# KiCad board panel.opm-inline.kicad_pcb (continued)
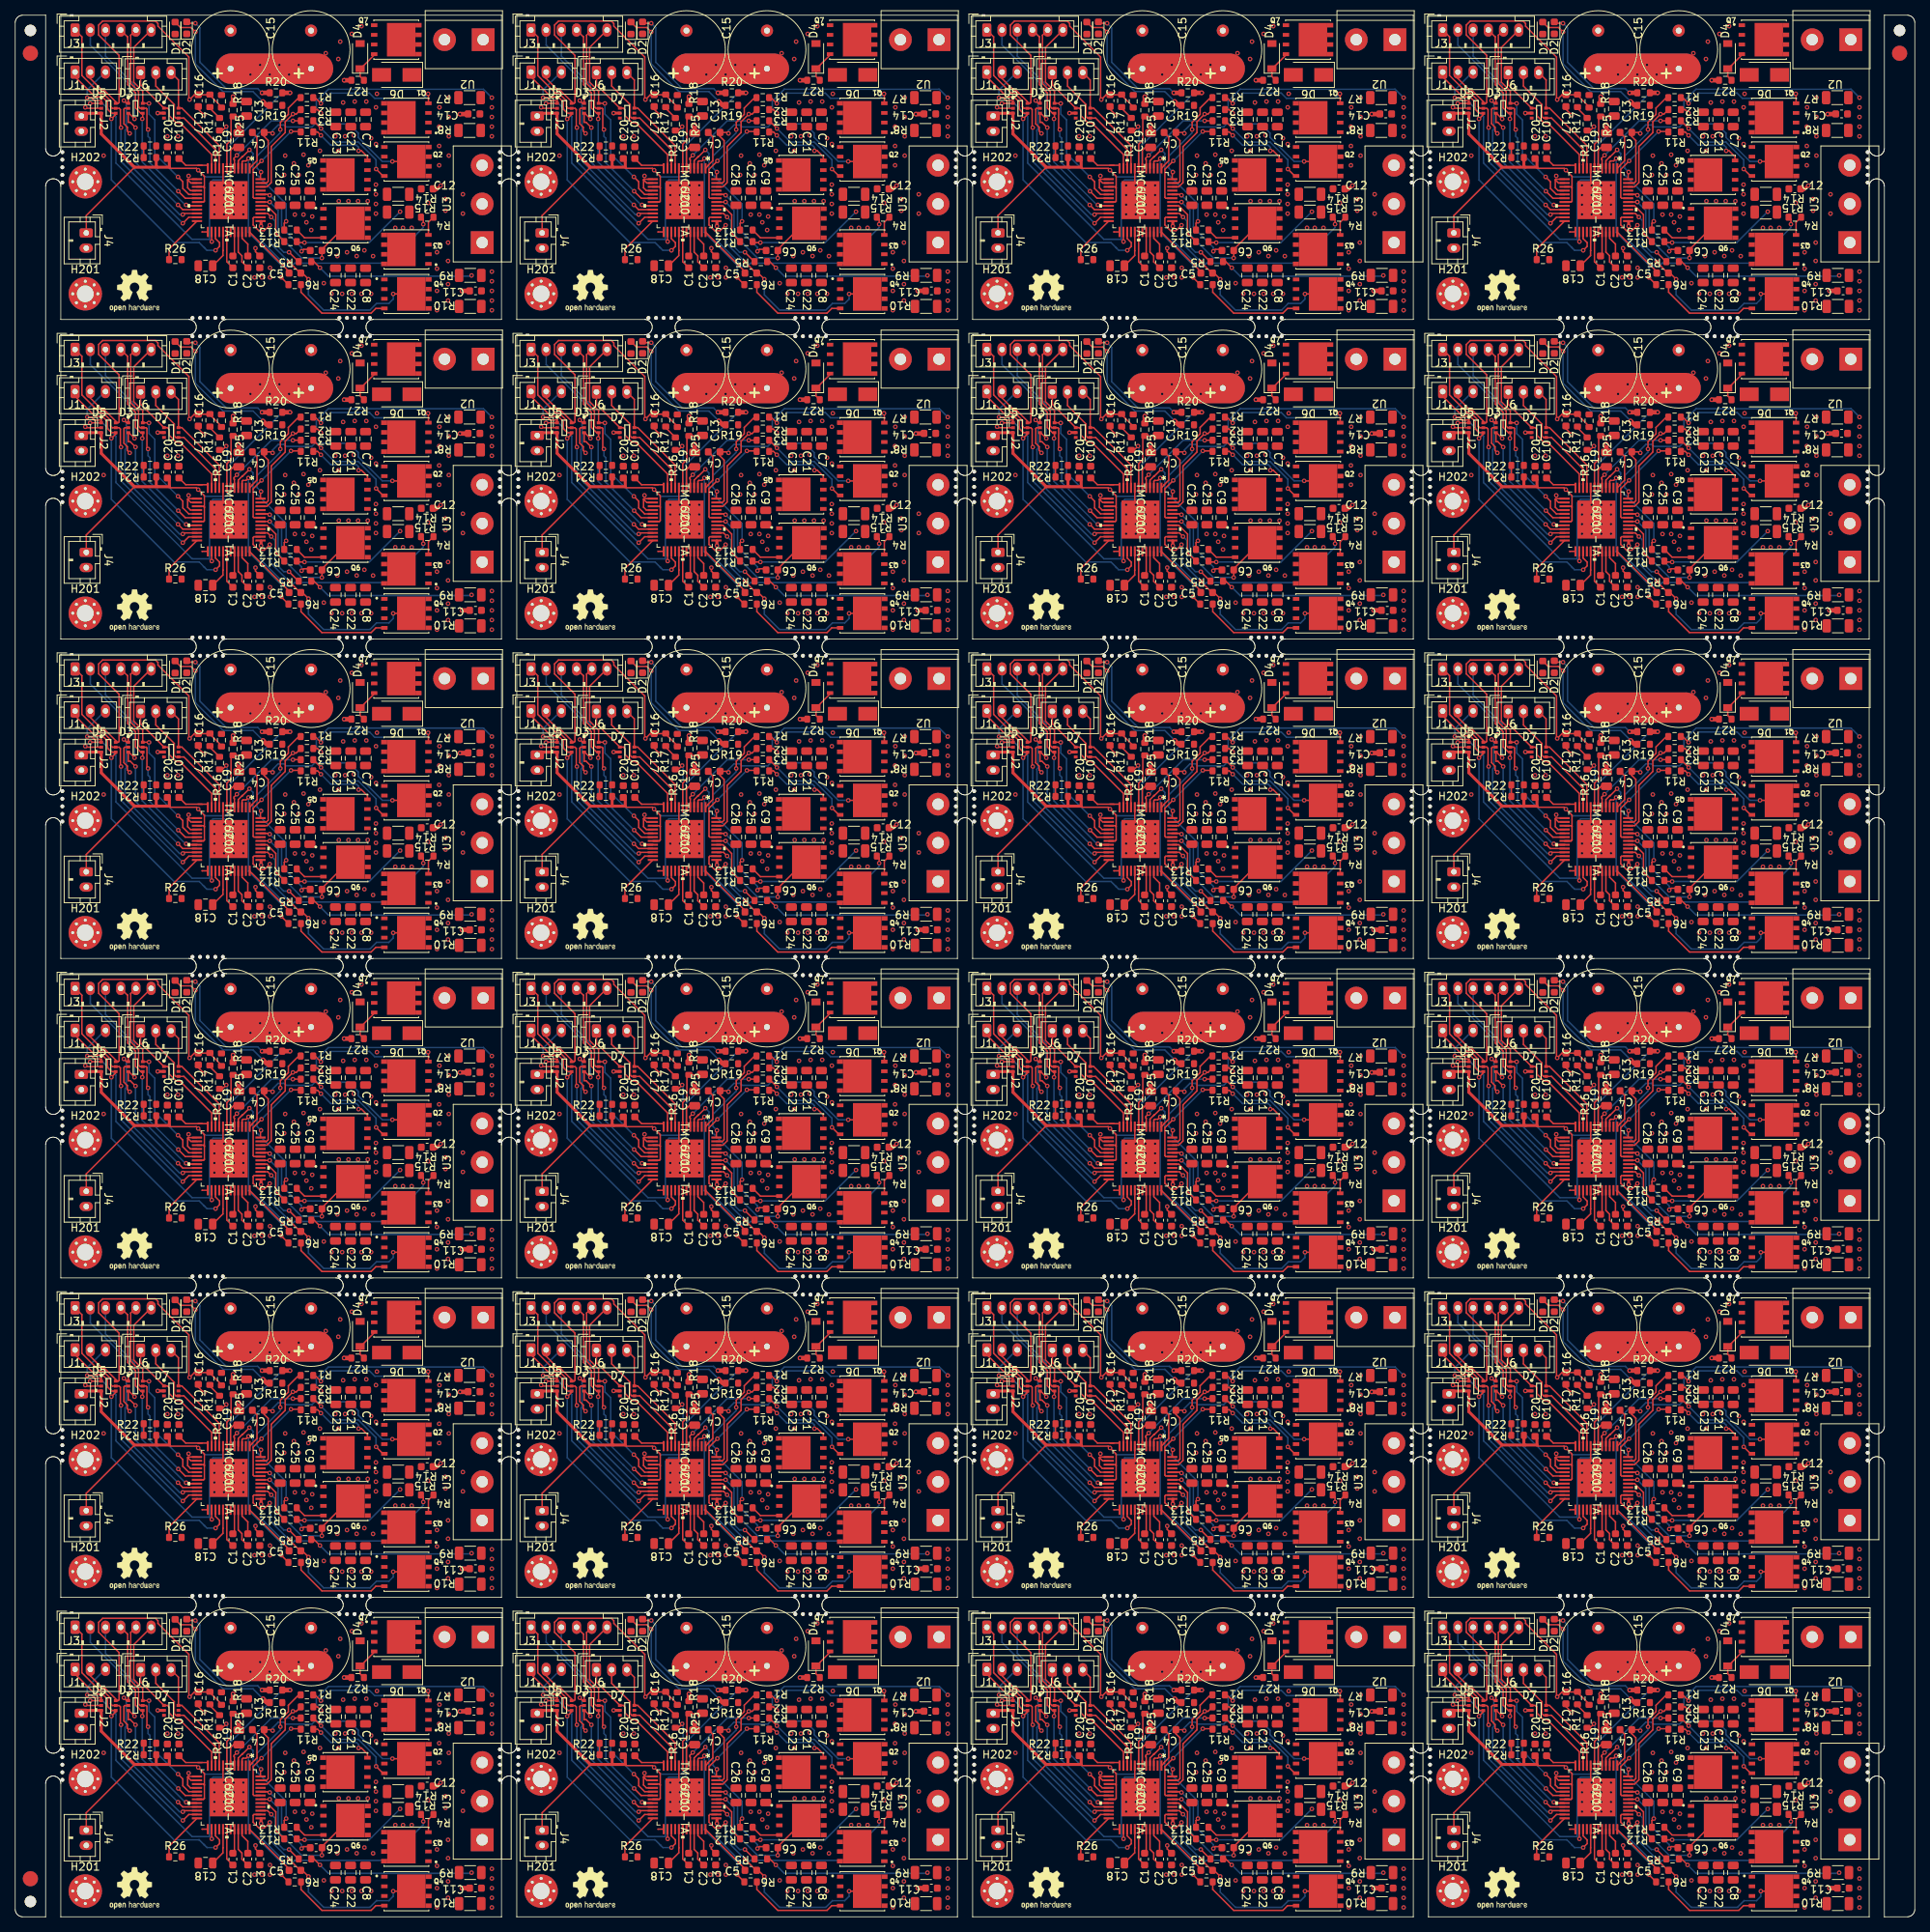
[diagram p0: board, top side]
## Routing (per net, layer and track width the routed paths; a pad name or vN(x,y) marks a point on that pad's centre or on a via; arc(x,y) is an arc through that point) (continued)
Board_21-Net-(C4-Pad2): length 5.4
  Top w0.2: C4#10.2 91.74,23.99 91.74,20.88 91.14,20.28 91.14,20.23 IC1#24.1
Board_21-Net-(C5-Pad1): length 7.4
  Top w0.2: IC1#24.36 90.78,11.49 95.96,6.31
Board_21-Net-(C5-Pad2): length 31.7
  Top w0.2: v1(109.66,3.37) Q4#19.5 ; v1(98.52,5.3) 97.71,6.11 C5#4.2 ; v1(93.42,12.4) 92.7,11.67 91.99,11.67 91.24,12.43 91.24,13.33 91.36,13.45 IC1#24.38 ; 97.51,6.31 97.23,6.31 v1(95.96,7.58)
  Bottom w0.2: v1(93.42,12.4) 93.52,12.3 93.52,10.02 v1(95.96,7.58) ; v1(109.66,3.37) 109.66,2.68 109.09,2.11 107.46,2.11 106.59,1.24 100.51,1.24 98.52,3.24 v1(98.52,5.3)
  vias: v1(115.41,8.85) v1(115.41,6.69) v1(115.41,3.77) v1(115.41,1.23) v1(116.87,10.12) v1(116.87,7.7) v1(116.87,4.65) v1(116.87,2.5)
Board_21-Net-(C6-Pad1): length 19.3
  Top w0.2: v1(93.42,15.45) 93.42,15.45 IC1#24.42 ; Q6.5 103.72,12.66 100.29,9.23 100.29,8.1 v1(100.28,8.08)
  Bottom w0.2: v1(93.42,15.45) 94.52,14.35 94.52,11.18 97.61,8.08 v1(100.28,8.08)
  vias: v1(102.5,15.57) v1(103.77,15.57) v1(105.04,15.57) v1(106.31,15.57) v1(107.38,17.74) v1(107.38,16.47) v1(107.38,15.2) v1(107.38,13.93)
Board_21-Net-(C6-Pad2): length 12.4
  Top w0.2: v1(97.61,8.97) 97.87,9.23 98.74,9.23 ; v1(93.42,16.34) 93.32,16.45 IC1#24.44 93.06,16.45
  Bottom w0.2: v1(97.61,8.97) 97.61,9.48 94.98,12.11 94.98,14.78 v1(93.42,16.34)
Board_21-Net-(D1-Pad2): length 19.4
  Top w0.2: R19#5.1 93.04,28.15 ; D1#24.2 81.69,38.39 83.06,38.39 v1(83.64,37.8)
  Top w0.6: 93.04,28.15 v1(92.53,28.66)
  Bottom w0.2: v1(83.64,37.8) 83.64,33.61 87.29,29.96 91.23,29.96 v1(92.53,28.66)
Board_21-Net-(D2-Pad2): length 17.4
  Top w0.2: v1(83.64,38.94) 82.68,38.94 D2#21.2
  Top w0.6: R20.1 v1(92.41,29.8)
  Bottom w0.2: v1(83.64,38.94) 84.24,38.34 84.24,33.82 87.7,30.36 91.84,30.36 v1(92.41,29.8)
Board_21-Net-(D4-Pad1): length 4.4
  Top w0.2: 105.36,32.98 107.16,34.78 Q7#9.4 ; D4#14.1 105.31,31.95 R27#23.1
Board_21-Net-(IC1-Pad3): length 20.6
  Top w0.2: v1(90.63,21.16) 90.31,20.85 89.9,20.85 89.78,20.73 IC1#24.3 ; v1(94.95,5.54) 94.95,5.52 R6#13.2
  Bottom w0.2: v1(90.63,21.16) 90.63,11.46 94.95,7.14 v1(94.95,5.54)
Board_21-Net-(IC1-Pad4): length 16.7
  Top w0.2: 89.78,21.38 89.87,21.46 ; 89.78,21.38 89.28,20.88 IC1#24.4 89.28,20.69 ; 89.78,21.38 89.82,21.38 v1(90.76,22.31) ; v1(95.58,12.91) 95.33,12.66 R13#21.2
  Bottom w0.2: v1(95.58,12.91) 95.58,15.2 91.23,19.55 91.23,21.83 v1(90.76,22.31)
Board_21-Net-(IC1-Pad5): length 12.2
  Top w0.2: v1(89.1,21.59) 88.72,21.21 88.72,21.04 88.78,20.98 IC1#24.5 ; R3#17.2 96.48,26.13 v1(96.47,26.12)
  Bottom w0.2: v1(89.1,21.59) 93.63,26.12 v1(96.47,26.12)
Board_21-Net-(IC1-Pad24): length 6.6
  Top w0.2: R26#9.1 80.18,9.27 IC1#24.24
Board_21-Net-(IC1-Pad37): length 28.9
  Top w0.2: v1(113.62,12.53) 113.62,13.15 R4#15.2 ; 92.28,12.88 IC1#24.37
  Top w0.4: v1(92.28,12.27) 92.28,12.88
  Bottom w0.2: v1(113.62,12.53) 113.62,12.1 108.92,7.41 96.69,7.41 96.25,6.98 95.67,6.98 92.28,10.37 v1(92.28,12.27)
Board_21-Net-(IC1-Pad39): length 9.3
  Top w0.2: 97.23,7.81 97,7.81 v1(95.96,8.85) ; v1(93.62,13.47) 93.15,13.95 IC1#24.39
  Bottom w0.2: v1(93.62,13.47) 94.12,12.97 94.12,9.98 95.26,8.85 v1(95.96,8.85)
Board_21-Net-(IC1-Pad41): length 6.5
  Top w0.2: IC1#24.41 93.06,14.95 94.22,13.79 94.22,11.35 R12#2.2
Board_21-Net-(IC1-Pad43): length 13.1
  Top w0.2: IC1#24.43 91.36,15.95 91.24,16.07 91.24,19.74 v1(92.34,20.85) ; v1(96.22,24.72) 97.44,24.72 R11#23.2
  Bottom w0.2: v1(92.34,20.85) v1(96.22,24.72)
Board_21-Net-(IC1-Pad46): length 13.1
  Top w0.2: IC1#24.46 93.06,17.45 93.62,18 93.62,22.74 95.45,24.58 95.45,25.99 96.47,27.01 v1(96.47,27.01) 96.91,27.01 R2#5.2
Board_21-Net-(IC1-Pad48): length 13.8
  Top w0.2: R1#5.2 97.23,29.17 95.87,27.8 95.87,26.97 94.82,25.92 v1(94.82,24.97) ; v1(92.28,19.39) 92.21,19.32 IC1#24.48
  Bottom w0.2: v1(94.82,24.97) 94.82,24.55 91.74,21.47 91.74,19.92 v1(92.28,19.39) 92.28,19.64
Board_21-Net-(Q1-Pad4): length 17.8
  Top w0.2: Q1#18.4 114.29,29.63 v1(114.25,29.67) ; R1#5.1 99.39,29.17 v1(100.15,28.4)
  Bottom w0.2: v1(114.25,29.67) 113.65,29.07 107.23,29.07 106.54,29.77 101.52,29.77 v1(100.15,28.4)
Board_21-Net-(Q2-Pad4): length 13.2
  Top w0.2: v1(107.41,19.78) 108.32,18.87 Q2#18.4 ; 100.28,25 v1(100.16,25.11) R3#17.1
  Bottom w0.2: v1(107.41,19.78) 107.41,20.99 105.07,23.32 101.95,23.32 v1(100.16,25.11)
Board_21-Net-(Q3-Pad4): length 2.6
  Top w0.2: R4#15.1 114.29,12.79 Q3#7.4
Board_21-Net-(Q4-Pad4): length 13.5
  Top w0.2: Q4#19.4 107.37,1.46 106.76,0.84 100.28,0.84 97.53,3.59 R6#13.1 97.73,4.59
Board_21-Net-(Q5-Pad4): length 9.2
  Top w0.2: v1(100.15,24.21) 99.71,24.66 R11#23.1 ; Q5#16.4 106.27,21.4 105.49,22.18 v1(105.11,22.18)
  Bottom w0.2: v1(100.15,24.21) 101.45,22.92 104.83,22.92 105.11,22.63 v1(105.11,22.18)
Board_21-Net-(Q6-Pad4): length 3.9
  Top w0.2: R13#21.1 97.99,10.75 Q6.4
Board_21-Net-(R16-Pad2): length 2
  Top w0.2: R16#14.2 85.55,27.77 R17#23.1
Board_22-/+VM: length 61.7
  Top w0.2: IC1#17.33 149.23,8.86 149.72,8.38 149.72,7.58 C2.1
  Top w0.6: R25#2.2 v1(148.55,29.29)
  Top w4: 148.29,32.98 159.72,32.98
  In1.Cu w4: 148.55,32.98 158.35,32.98
  In2.Cu w4: 148.29,32.98 159.72,32.98 148.29,32.98
  Bottom w4: 148.29,32.98 159.72,32.98
  vias: v1(150.83,32.21) v1(151.36,5.54) v1(152.1,33.48) v1(152.33,5.54) v1(153.37,32.21) v1(153.4,6.81) v1(153.4,5.54) v1(154.64,33.48) v1(155.28,19.01) v1(155.4,21.55) v1(155.91,32.21) v1(156.55,20.53) v1(157.18,33.48) v1(157.18,19.01) v1(157.82,21.67) v1(158.45,20.28) v1(159.98,22.18) v1(160.74,35.01) v1(162.26,8.35) v1(162.39,34.25) v1(162.39,22.18) v1(162.64,36.53) v1(163.02,28.53) v1(163.53,8.85) v1(164.17,37.55) v1(164.55,28.66) v1(164.8,8.35) v1(165.44,38.56) v1(165.82,9.1) v1(166.07,28.66) v1(166.96,8.34) v1(167.34,27.9) v1(167.47,29.67) v1(169.88,12.06) v1(170.9,12.06) v1(172.04,12.06)
Board_22-/ADC_I_u: length 15.5
  Top w0.2: IC1#17.9 146.73,22.87 141.82,27.78 D7#15.6 141.37,31.49 J6#9.3
Board_22-/ADC_I_v: length 17.7
  Top w0.2: 146.17,20.36 146.23,20.3 IC1#17.10 146.23,22.34 142.08,26.48 D7#15.4 141.03,26.48 140.82,26.69 140.82,28.26 138.39,30.69 J6#9.2 138.89,31.96
Board_22-/ADC_I_w: length 17
  Top w0.2: IC1#17.11 145.73,21.69 141.56,25.86 141.08,25.86 140.16,26.78 140.16,27.54 139.92,27.78 D7#15.1 136.39,30.87 J6#9.1
Board_22-/Connectors/VOFS: length 1.8
  Top w0.2: R22#10.1 R21#22.2 ; 136.48,21.16 136.8,21.16
Board_22-/DRV_EN: length 38.5
  Top w0.2: v1(132.54,26.37) 133.11,26.94 D5#12.4 132.56,27.12 132.04,27.64 132.04,28.59 131.34,29.28 130.4,29.28 127.77,31.91 J1#24.1 ; v1(146.25,9.1) 146.77,9.62 146.77,10.11 146.23,10.64 IC1#17.27 146.23,11.1 146.25,11.08
  Bottom w0.2: 144.74,9.48 144.86,9.35 ; 144.74,9.48 144.1,10.12 140.78,10.12 132.54,18.35 v1(132.54,26.37) ; 144.74,9.48 145.12,9.1 v1(146.25,9.1)
Board_22-/FAULT: length 63.4
  Top w0.2: v1(129.75,28.4) 129.77,28.42 D5#12.1 131.21,28.73 ; 131.27,28.78 130.33,28.78 129.95,29.17 v1(129.37,29.17) ; v1(145.75,10.24) 145.73,10.26 IC1#17.26
  Top w0.6: R20#16.2 v1(156.04,29.8)
  Bottom w0.2: 133.05,26.75 132.83,26.97 ; 133.05,26.75 133.14,26.66 133.14,20.57 143.17,10.54 145.45,10.54 ; 133.05,26.75 131.4,28.4 v1(129.75,28.4) ; 145.45,10.54 v1(145.75,10.24) ; 145.45,10.54 145.45,17.88 145.92,18.35 147.95,18.35 148.18,18.59 148.18,22.96 R20#16.2 v1(156.04,29.8) ; J1#24.3 131.71,32.53 129.37,30.18 v1(129.37,29.17)
Board_22-/Motor Driver/VOFS: length 4.7
  Top w0.2: 143.94,20.28 145.21,20.28 ; C10#4.1 142.32,20.28 144.48,20.28
Board_22-/TEMP_PCB: length 42.5
  Top w0.2: 133.11,35.17 133.1,35.18 ; 133.1,35.18 133.56,34.72 133.56,28.53 133.45,28.42 D5#12.6 133.11,28.64 131.68,30.08 131.38,30.08 129.77,31.68 J1#24.2 ; 133.1,35.18 130.87,37.41 130.87,38.7 131.4,39.23 138.35,39.23 138.67,38.91 138.67,38.57 142.74,34.5 142.74,29 v1(142.83,28.91) 143.47,29.55 C17#6.1 145.47,29.55 R17#4.2 145.5,29.48 147.02,27.96
Board_22-/U: length 27.2
  Top w0.2: R2#9.1 159.64,27.6 v1(160.1,27.13)
  Bottom w0.2: v1(182.58,29.17) 181.47,30.27 161.09,30.27 159.5,28.69 159.5,27.73 v1(160.1,27.13)
  vias: v1(182.58,27.9) v1(182.58,26.63) v1(182.58,25.36) v1(182.58,24.09)
Board_22-/UH: length 27.5
  Top w0.2: v1(141.31,18.75) 141.94,18.12 141.94,17.23 142.72,16.45 IC1#17.17 ; 137.77,37.7 J3#12.6 135.49,35.77 135.49,31.2 136.67,30.02 D3#19.6 137.48,28.42 v1(137.5,28.4)
  Bottom w0.2: v1(137.5,28.4) 137.5,27.01 138.26,26.25 138.26,21.8 v1(141.31,18.75)
Board_22-/UL: length 27.4
  Top w0.2: v1(137.37,24.97) 137.22,25.13 137.22,27.67 137.12,27.77 D3#19.5 136.33,27.77 136.12,27.98 136.12,29.98 135.97,30.12 135.97,30.15 135.09,31.03 135.09,37.37 J3#12.5 ; IC1#17.18 142.26,15.95 v1(141.34,16.87)
  Bottom w0.2: v1(137.37,24.97) 137.37,24.09 137.62,23.83 137.62,20.58 v1(141.34,16.87)
Board_22-/V: length 15.3
  Top w0.2: R12#11.1 157.05,10.12 v1(157.94,10.12)
  Bottom w0.2: v1(170.52,14.18) 166.45,10.12 v1(157.94,10.12)
  vias: v1(174.2,15.32) v1(176.49,15.83) v1(176.49,14.31) v1(178.77,16.47) v1(178.77,13.93)
Board_22-/VH: length 30.4
  Top w0.2: v1(142.38,15.07) 142.5,14.95 IC1#17.20 142.93,14.95 ; D3#19.4 136.41,27.12 135.72,27.81 135.72,29.8 135.32,30.2 135.32,30.24 134.69,30.87 134.69,37.17 134.66,37.17 J3#12.4 ; D3#19.4 136.47,27.12 ; D3#19.4 136.67,26.31
  Bottom w0.2: 136.61,26.24 136.61,20.71 142.38,14.95 142.19,14.95 142.19,15.06 ; 134.32,37.51 J3#12.4
  vias: v1(136.61,26.37)
Board_22-/VL: length 32.1
  Top w0.2: IC1#17.21 141.93,14.45 v1(141.31,15.07) ; v1(135.59,26.37) 134.85,27.12 D3#19.3 ; 134.83,27.06 D3#19.3 ; D3#19.3 134.77,25.92 135.02,25.92 v1(135.72,25.23)
  Bottom w0.2: v1(135.59,26.37) 135.59,30.82 131.77,34.64 J3#12.3 ; v1(141.31,15.07) 135.72,20.66 v1(135.72,25.23)
Board_22-/VSA: length 5
  Top w0.2: C18#16.1 147.22,8.42 147.22,9.06 147.23,9.07 IC1#17.29
Board_22-/W: length 21.9
  Top w0.2: 158.86,7.83 158.83,7.81 ; R5#13.1 159.18,7.61 v1(159.98,6.81)
  Bottom w0.2: v1(159.98,6.81) 161.08,5.71 179.82,5.71 v1(179.92,5.8)
  vias: v1(182.58,6.31) v1(182.58,5.04) v1(182.58,3.77) v1(182.58,2.5) v1(182.58,1.23)
Board_22-/WH: length 33.7
  Top w0.2: v1(134.2,28.78) 134.56,28.42 D3#19.1 ; IC1#17.22 142.09,13.95 v1(141.94,13.8) ; D3#19.1 134.7,28.48 ; D3#19.1 134.77,29.23 v1(134.96,29.42)
  Bottom w0.2: 134.81,20.51 141.52,13.8 v1(141.94,13.8) ; 134.81,20.51 134.36,20.96 134.36,24.88 134.5,25.02 134.5,28.48 v1(134.2,28.78) ; 134.81,20.51 134.7,20.61 ; 133.41,32.43 133.21,32.63 ; 133.21,32.63 129.77,36.07 J3#12.2 ; 133.21,32.63 134.61,31.23 ; 134.7,31.14 134.61,31.23 ; 134.61,31.23 134.96,30.89 v1(134.96,29.42)
Board_22-/WL: length 34.8
  Top w0.2: IC1#17.23 142.73,13.45 v1(141.94,12.66) ; v1(133.81,25.23) 133.73,25.31 133.73,27.6 133.56,27.77 D5#12.5 132.66,27.77 132.44,28 132.44,28.75 131.51,29.68 131.07,29.68 128.67,32.08 128.67,37.16 J3#12.1 127.79,38.06
  Bottom w0.2: v1(141.94,12.66) 133.81,20.78 v1(133.81,25.23) ; 127.77,37.51 J3#12.1
Board_22-GND: length 31.2
  Top w0.2: 179.44,27.01 C14#10.2 ; C17#6.2 143.97,27.64 v1(144.74,26.88) ; D5#12.2 129.24,27.77 v1(129.12,27.9) ; 144.48,11.51 144.49,11.52 IC1#17.25 145.23,11.41 ; 149.73,17.45 IC1#17.EPAD ; IC1#17.EPAD 147.23,16.45 IC1#17.8 ; IC1#17.EPAD 145.73,13.45 ; v1(134.96,24.47) 134.66,24.77 134.66,25.27 134.2,25.74 134.2,27.64 134.32,27.77 D3#19.2 ; C3#17.2 151.49,8.92 v1(151.49,9.38) ; IC1#17.13 142.65,18.45 142.58,18.37 ; IC1#17.14 143,17.95 142.58,18.37 ; 142.58,18.37 142.58,17.32 142.95,16.95 IC1#17.16
  Top w0.4: 174.85,17.1 175.34,17.1 v1(175.85,17.61) ; D7#15.2 v1(138.64,27.13)
  Top w0.6: v1(163.15,31.45) R27#18.2 ; v1(178.65,3.77) C11#9.2 ; v1(178.39,27.01) 179.44,27.01 ; C19#18.2 v1(149.31,25.61)
  vias: v1(131.53,21.55) v1(139.91,24.09) v1(141.31,24.09) v1(142.7,18.88) v1(146.09,17.64) v1(146.09,16.37) v1(146.09,15.1) v1(146.09,13.83) v1(147.36,17.64) v1(147.36,16.37) v1(147.36,15.1) v1(147.36,13.83) v1(148.63,17.64) v1(148.63,16.37) v1(148.63,15.1) v1(148.63,13.83) v1(149.9,17.64) v1(149.9,16.37) v1(149.9,15.1) v1(149.9,13.83) v1(156.67,13.8) v1(157.82,13.8) v1(158.2,12.78) v1(158.83,11.77) v1(158.96,13.54) v1(160.48,4.78) v1(161.5,3.38) v1(162.01,24.09) v1(162.9,3.38) v1(163.28,24.09) v1(164.17,3.38) v1(164.42,24.21) v1(165.44,3.38) v1(166.71,23.83) v1(166.71,3.38) v1(167.34,23.07)
Board_22-Net-(C1-Pad1): length 5
  Top w0.2: IC1#17.30 147.73,7.6 C1#13.1
Board_22-Net-(C1-Pad2): length 3.2
  Top w0.2: C1#13.2 148.73,8.57 IC1#17.32
Board_22-Net-(C2-Pad2): length 3.5
  Top w0.2: IC1#17.34 149.73,10.68 150.49,9.92 C2.2
Board_22-Net-(C4-Pad1): length 31
  Top w0.2: C4#21.1 152.64,24.12 ; C4#21.1 153.63,24.59 v1(153.75,24.47) ; C4#21.1 152.64,24.06 153.17,23.52 153.17,18.17 152.95,17.95 IC1#17.47 ; v1(169.5,20.78) 169.51,20.78 Q2#17.5
  Bottom w0.2: v1(153.75,24.47) 153.75,24.85 154.48,25.57 155.24,25.57 155.5,25.32 158.93,25.32 159.32,25.71 163.81,25.71 165.02,24.5 165.02,23.94 168.18,20.78 v1(169.5,20.78)
  vias: v1(175.69,27.9) v1(175.65,25.36) v1(175.65,22.82) v1(175.65,20.28) v1(176.92,29.17) v1(176.92,26.63) v1(176.92,24.09) v1(176.92,21.55)
Board_22-Net-(C4-Pad2): length 5.4
  Top w0.2: C4#21.2 151.69,23.99 151.69,20.88 151.09,20.28 151.09,20.23 IC1#17.1
Board_22-Net-(C5-Pad1): length 7.4
  Top w0.2: IC1#17.36 150.73,11.49 155.91,6.31
Board_22-Net-(C5-Pad2): length 31.7
  Top w0.2: v1(169.61,3.37) Q4#20.5 ; v1(158.47,5.3) 157.66,6.11 C5#14.2 ; v1(153.37,12.4) 152.65,11.67 151.94,11.67 151.19,12.43 151.19,13.33 151.31,13.45 IC1#17.38 ; 157.46,6.31 157.18,6.31 v1(155.91,7.58)
  Bottom w0.2: v1(153.37,12.4) 153.47,12.3 153.47,10.02 v1(155.91,7.58) ; v1(169.61,3.37) 169.61,2.68 169.04,2.11 167.41,2.11 166.54,1.24 160.46,1.24 158.47,3.24 v1(158.47,5.3)
  vias: v1(175.36,8.85) v1(175.36,6.69) v1(175.36,3.77) v1(175.36,1.23) v1(176.82,10.12) v1(176.82,7.7) v1(176.82,4.65) v1(176.82,2.5)
Board_22-Net-(C6-Pad1): length 19.3
  Top w0.2: v1(153.37,15.45) 153.37,15.45 IC1#17.42 ; Q6#24.5 163.67,12.66 160.24,9.23 160.24,8.1 v1(160.23,8.08)
  Bottom w0.2: v1(153.37,15.45) 154.47,14.35 154.47,11.18 157.56,8.08 v1(160.23,8.08)
  vias: v1(162.45,15.57) v1(163.72,15.57) v1(164.99,15.57) v1(166.26,15.57) v1(167.33,17.74) v1(167.33,16.47) v1(167.33,15.2) v1(167.33,13.93)
Board_22-Net-(C6-Pad2): length 12.4
  Top w0.2: v1(157.56,8.97) 157.82,9.23 158.69,9.23 ; v1(153.37,16.34) 153.27,16.45 IC1#17.44 153.01,16.45
  Bottom w0.2: v1(157.56,8.97) 157.56,9.48 154.93,12.11 154.93,14.78 v1(153.37,16.34)
Board_22-Net-(D1-Pad2): length 19.4
  Top w0.2: R19#7.1 152.99,28.15 ; D1#11.2 141.64,38.39 143.01,38.39 v1(143.59,37.8)
  Top w0.6: 152.99,28.15 v1(152.48,28.66)
  Bottom w0.2: v1(143.59,37.8) 143.59,33.61 147.24,29.96 151.18,29.96 v1(152.48,28.66)
Board_22-Net-(D2-Pad2): length 17.4
  Top w0.2: v1(143.59,38.94) 142.63,38.94 D2#4.2
  Top w0.6: R20#16.1 v1(152.36,29.8)
  Bottom w0.2: v1(143.59,38.94) 144.19,38.34 144.19,33.82 147.65,30.36 151.79,30.36 v1(152.36,29.8)
Board_22-Net-(D4-Pad1): length 4.4
  Top w0.2: 165.31,32.98 167.11,34.78 Q7#8.4 ; D4#21.1 165.26,31.95 R27#18.1
Board_22-Net-(IC1-Pad3): length 20.6
  Top w0.2: v1(150.58,21.16) 150.26,20.85 149.85,20.85 149.73,20.73 IC1#17.3 ; v1(154.9,5.54) 154.9,5.52 R6#6.2
  Bottom w0.2: v1(150.58,21.16) 150.58,11.46 154.9,7.14 v1(154.9,5.54)
Board_22-Net-(IC1-Pad4): length 16.7
  Top w0.2: 149.73,21.38 149.82,21.46 ; 149.73,21.38 149.23,20.88 IC1#17.4 149.23,20.69 ; 149.73,21.38 149.77,21.38 v1(150.71,22.31) ; v1(155.53,12.91) 155.28,12.66 R13#24.2
  Bottom w0.2: v1(155.53,12.91) 155.53,15.2 151.18,19.55 151.18,21.83 v1(150.71,22.31)
Board_22-Net-(IC1-Pad5): length 12.2
  Top w0.2: v1(149.05,21.59) 148.67,21.21 148.67,21.04 148.73,20.98 IC1#17.5 ; R3#9.2 156.43,26.13 v1(156.42,26.12)
  Bottom w0.2: v1(149.05,21.59) 153.58,26.12 v1(156.42,26.12)
Board_22-Net-(IC1-Pad24): length 6.6
  Top w0.2: R26#11.1 140.13,9.27 IC1#17.24
Board_22-Net-(IC1-Pad37): length 28.9
  Top w0.2: v1(173.57,12.53) 173.57,13.15 R4#4.2 ; 152.23,12.88 IC1#17.37
  Top w0.4: v1(152.23,12.27) 152.23,12.88
  Bottom w0.2: v1(173.57,12.53) 173.57,12.1 168.87,7.41 156.64,7.41 156.2,6.98 155.62,6.98 152.23,10.37 v1(152.23,12.27)
Board_22-Net-(IC1-Pad39): length 9.3
  Top w0.2: 157.18,7.81 156.95,7.81 v1(155.91,8.85) ; v1(153.57,13.47) 153.1,13.95 IC1#17.39
  Bottom w0.2: v1(153.57,13.47) 154.07,12.97 154.07,9.98 155.21,8.85 v1(155.91,8.85)
Board_22-Net-(IC1-Pad41): length 6.5
  Top w0.2: IC1#17.41 153.01,14.95 154.17,13.79 154.17,11.35 R12#11.2
Board_22-Net-(IC1-Pad43): length 13.1
  Top w0.2: IC1#17.43 151.31,15.95 151.19,16.07 151.19,19.74 v1(152.29,20.85) ; v1(156.17,24.72) 157.39,24.72 R11#2.2
  Bottom w0.2: v1(152.29,20.85) v1(156.17,24.72)
Board_22-Net-(IC1-Pad46): length 13.1
  Top w0.2: IC1#17.46 153.01,17.45 153.57,18 153.57,22.74 155.4,24.58 155.4,25.99 156.42,27.01 v1(156.42,27.01) 156.86,27.01 R2#9.2
Board_22-Net-(IC1-Pad48): length 13.8
  Top w0.2: R1#2.2 157.18,29.17 155.82,27.8 155.82,26.97 154.77,25.92 v1(154.77,24.97) ; v1(152.23,19.39) 152.16,19.32 IC1#17.48
  Bottom w0.2: v1(154.77,24.97) 154.77,24.55 151.69,21.47 151.69,19.92 v1(152.23,19.39) 152.23,19.64
Board_22-Net-(Q1-Pad4): length 17.8
  Top w0.2: Q1#23.4 174.24,29.63 v1(174.2,29.67) ; R1#2.1 159.34,29.17 v1(160.1,28.4)
  Bottom w0.2: v1(174.2,29.67) 173.6,29.07 167.18,29.07 166.49,29.77 161.47,29.77 v1(160.1,28.4)
Board_22-Net-(Q2-Pad4): length 13.2
  Top w0.2: v1(167.36,19.78) 168.27,18.87 Q2#17.4 ; 160.23,25 v1(160.11,25.11) R3#9.1
  Bottom w0.2: v1(167.36,19.78) 167.36,20.99 165.02,23.32 161.9,23.32 v1(160.11,25.11)
Board_22-Net-(Q3-Pad4): length 2.6
  Top w0.2: R4#4.1 174.24,12.79 Q3#10.4
Board_22-Net-(Q4-Pad4): length 13.5
  Top w0.2: Q4#20.4 167.32,1.46 166.71,0.84 160.23,0.84 157.48,3.59 R6#6.1 157.68,4.59
Board_22-Net-(Q5-Pad4): length 9.2
  Top w0.2: v1(160.1,24.21) 159.66,24.66 R11#2.1 ; Q5#22.4 166.22,21.4 165.44,22.18 v1(165.06,22.18)
  Bottom w0.2: v1(160.1,24.21) 161.4,22.92 164.78,22.92 165.06,22.63 v1(165.06,22.18)
Board_22-Net-(Q6-Pad4): length 3.9
  Top w0.2: R13#24.1 157.94,10.75 Q6#24.4
Board_22-Net-(R16-Pad2): length 2
  Top w0.2: R16#5.2 145.5,27.77 R17#4.1
Board_23-/+VM: length 61.7
  Top w0.2: IC1#15.33 209.18,8.86 209.67,8.38 209.67,7.58 C2#19.1
  Top w0.6: R25#23.2 v1(208.5,29.29)
  Top w4: 208.24,32.98 219.67,32.98
  In1.Cu w4: 208.5,32.98 218.3,32.98
  In2.Cu w4: 208.24,32.98 219.67,32.98 208.24,32.98
  Bottom w4: 208.24,32.98 219.67,32.98
  vias: v1(210.78,32.21) v1(211.31,5.54) v1(212.05,33.48) v1(212.28,5.54) v1(213.32,32.21) v1(213.35,6.81) v1(213.35,5.54) v1(214.59,33.48) v1(215.23,19.01) v1(215.35,21.55) v1(215.86,32.21) v1(216.5,20.53) v1(217.13,33.48) v1(217.13,19.01) v1(217.77,21.67) v1(218.4,20.28) v1(219.93,22.18) v1(220.69,35.01) v1(222.21,8.35) v1(222.34,34.25) v1(222.34,22.18) v1(222.59,36.53) v1(222.97,28.53) v1(223.48,8.85) v1(224.12,37.55) v1(224.5,28.66) v1(224.75,8.35) v1(225.39,38.56) v1(225.77,9.1) v1(226.02,28.66) v1(226.91,8.34) v1(227.29,27.9) v1(227.42,29.67) v1(229.83,12.06) v1(230.85,12.06) v1(231.99,12.06)
Board_23-/ADC_I_u: length 15.5
  Top w0.2: IC1#15.9 206.68,22.87 201.77,27.78 D7#11.6 201.32,31.49 J6#10.3
Board_23-/ADC_I_v: length 17.7
  Top w0.2: 206.12,20.36 206.18,20.3 IC1#15.10 206.18,22.34 202.03,26.48 D7#11.4 200.98,26.48 200.77,26.69 200.77,28.26 198.34,30.69 J6#10.2 198.84,31.96
Board_23-/ADC_I_w: length 17
  Top w0.2: IC1#15.11 205.68,21.69 201.51,25.86 201.03,25.86 200.11,26.78 200.11,27.54 199.87,27.78 D7#11.1 196.34,30.87 J6#10.1
Board_23-/Connectors/VOFS: length 1.8
  Top w0.2: R22#11.1 R21#15.2 ; 196.43,21.16 196.75,21.16
Board_23-/DRV_EN: length 38.5
  Top w0.2: v1(192.49,26.37) 193.06,26.94 D5#8.4 192.51,27.12 191.99,27.64 191.99,28.59 191.29,29.28 190.35,29.28 187.72,31.91 J1#17.1 ; v1(206.2,9.1) 206.72,9.62 206.72,10.11 206.18,10.64 IC1#15.27 206.18,11.1 206.2,11.08
  Bottom w0.2: 204.69,9.48 204.81,9.35 ; 204.69,9.48 204.05,10.12 200.73,10.12 192.49,18.35 v1(192.49,26.37) ; 204.69,9.48 205.07,9.1 v1(206.2,9.1)
Board_23-/FAULT: length 63.4
  Top w0.2: v1(189.7,28.4) 189.72,28.42 D5#8.1 191.16,28.73 ; 191.22,28.78 190.28,28.78 189.9,29.17 v1(189.32,29.17) ; v1(205.7,10.24) 205.68,10.26 IC1#15.26
  Top w0.6: R20#4.2 v1(215.99,29.8)
  Bottom w0.2: 193,26.75 192.78,26.97 ; 193,26.75 193.09,26.66 193.09,20.57 203.12,10.54 205.4,10.54 ; 193,26.75 191.35,28.4 v1(189.7,28.4) ; 205.4,10.54 v1(205.7,10.24) ; 205.4,10.54 205.4,17.88 205.87,18.35 207.9,18.35 208.13,18.59 208.13,22.96 R20#4.2 v1(215.99,29.8) ; J1#17.3 191.66,32.53 189.32,30.18 v1(189.32,29.17)
Board_23-/Motor Driver/VOFS: length 4.7
  Top w0.2: 203.89,20.28 205.16,20.28 ; C10#11.1 202.27,20.28 204.43,20.28
Board_23-/TEMP_PCB: length 42.5
  Top w0.2: 193.06,35.17 193.05,35.18 ; 193.05,35.18 193.51,34.72 193.51,28.53 193.4,28.42 D5#8.6 193.06,28.64 191.63,30.08 191.33,30.08 189.72,31.68 J1#17.2 ; 193.05,35.18 190.82,37.41 190.82,38.7 191.35,39.23 198.3,39.23 198.62,38.91 198.62,38.57 202.69,34.5 202.69,29 v1(202.78,28.91) 203.42,29.55 C17#5.1 205.42,29.55 R17#17.2 205.45,29.48 206.97,27.96
Board_23-/U: length 27.2
  Top w0.2: R2#13.1 219.59,27.6 v1(220.05,27.13)
  Bottom w0.2: v1(242.53,29.17) 241.42,30.27 221.04,30.27 219.45,28.69 219.45,27.73 v1(220.05,27.13)
  vias: v1(242.53,27.9) v1(242.53,26.63) v1(242.53,25.36) v1(242.53,24.09)
Board_23-/UH: length 27.5
  Top w0.2: v1(201.26,18.75) 201.89,18.12 201.89,17.23 202.67,16.45 IC1#15.17 ; 197.72,37.7 J3#14.6 195.44,35.77 195.44,31.2 196.62,30.02 D3#14.6 197.43,28.42 v1(197.45,28.4)
  Bottom w0.2: v1(197.45,28.4) 197.45,27.01 198.21,26.25 198.21,21.8 v1(201.26,18.75)
Board_23-/UL: length 27.4
  Top w0.2: v1(197.32,24.97) 197.17,25.13 197.17,27.67 197.07,27.77 D3#14.5 196.28,27.77 196.07,27.98 196.07,29.98 195.92,30.12 195.92,30.15 195.04,31.03 195.04,37.37 J3#14.5 ; IC1#15.18 202.21,15.95 v1(201.29,16.87)
  Bottom w0.2: v1(197.32,24.97) 197.32,24.09 197.57,23.83 197.57,20.58 v1(201.29,16.87)
Board_23-/V: length 15.3
  Top w0.2: R12#3.1 217,10.12 v1(217.89,10.12)
  Bottom w0.2: v1(230.47,14.18) 226.4,10.12 v1(217.89,10.12)
  vias: v1(234.15,15.32) v1(236.44,15.83) v1(236.44,14.31) v1(238.72,16.47) v1(238.72,13.93)
Board_23-/VH: length 30.4
  Top w0.2: v1(202.33,15.07) 202.45,14.95 IC1#15.20 202.88,14.95 ; D3#14.4 196.36,27.12 195.67,27.81 195.67,29.8 195.27,30.2 195.27,30.24 194.64,30.87 194.64,37.17 194.61,37.17 J3#14.4 ; D3#14.4 196.42,27.12 ; D3#14.4 196.62,26.31
  Bottom w0.2: 196.56,26.24 196.56,20.71 202.33,14.95 202.14,14.95 202.14,15.06 ; 194.27,37.51 J3#14.4
  vias: v1(196.56,26.37)
Board_23-/VL: length 32.1
  Top w0.2: IC1#15.21 201.88,14.45 v1(201.26,15.07) ; v1(195.54,26.37) 194.8,27.12 D3#14.3 ; 194.78,27.06 D3#14.3 ; D3#14.3 194.72,25.92 194.97,25.92 v1(195.67,25.23)
  Bottom w0.2: v1(195.54,26.37) 195.54,30.82 191.72,34.64 J3#14.3 ; v1(201.26,15.07) 195.67,20.66 v1(195.67,25.23)
Board_23-/VSA: length 5
  Top w0.2: C18#22.1 207.17,8.42 207.17,9.06 207.18,9.07 IC1#15.29
Board_23-/W: length 21.9
  Top w0.2: 218.81,7.83 218.78,7.81 ; R5#23.1 219.13,7.61 v1(219.93,6.81)
  Bottom w0.2: v1(219.93,6.81) 221.03,5.71 239.77,5.71 v1(239.87,5.8)
  vias: v1(242.53,6.31) v1(242.53,5.04) v1(242.53,3.77) v1(242.53,2.5) v1(242.53,1.23)
Board_23-/WH: length 33.7
  Top w0.2: v1(194.15,28.78) 194.51,28.42 D3#14.1 ; IC1#15.22 202.04,13.95 v1(201.89,13.8) ; D3#14.1 194.65,28.48 ; D3#14.1 194.72,29.23 v1(194.91,29.42)
  Bottom w0.2: 194.76,20.51 201.47,13.8 v1(201.89,13.8) ; 194.76,20.51 194.31,20.96 194.31,24.88 194.45,25.02 194.45,28.48 v1(194.15,28.78) ; 194.76,20.51 194.65,20.61 ; 193.36,32.43 193.16,32.63 ; 193.16,32.63 189.72,36.07 J3#14.2 ; 193.16,32.63 194.56,31.23 ; 194.65,31.14 194.56,31.23 ; 194.56,31.23 194.91,30.89 v1(194.91,29.42)
Board_23-/WL: length 34.8
  Top w0.2: IC1#15.23 202.68,13.45 v1(201.89,12.66) ; v1(193.76,25.23) 193.68,25.31 193.68,27.6 193.51,27.77 D5#8.5 192.61,27.77 192.39,28 192.39,28.75 191.46,29.68 191.02,29.68 188.62,32.08 188.62,37.16 J3#14.1 187.74,38.06
  Bottom w0.2: v1(201.89,12.66) 193.76,20.78 v1(193.76,25.23) ; 187.72,37.51 J3#14.1
Board_23-GND: length 31.2
  Top w0.2: 239.39,27.01 C14#12.2 ; C17#5.2 203.92,27.64 v1(204.69,26.88) ; D5#8.2 189.19,27.77 v1(189.07,27.9) ; 204.43,11.51 204.44,11.52 IC1#15.25 205.18,11.41 ; 209.68,17.45 IC1#15.EPAD ; IC1#15.EPAD 207.18,16.45 IC1#15.8 ; IC1#15.EPAD 205.68,13.45 ; v1(194.91,24.47) 194.61,24.77 194.61,25.27 194.15,25.74 194.15,27.64 194.27,27.77 D3#14.2 ; C3#11.2 211.44,8.92 v1(211.44,9.38) ; IC1#15.13 202.6,18.45 202.53,18.37 ; IC1#15.14 202.95,17.95 202.53,18.37 ; 202.53,18.37 202.53,17.32 202.9,16.95 IC1#15.16
  Top w0.4: 234.8,17.1 235.29,17.1 v1(235.8,17.61) ; D7#11.2 v1(198.59,27.13)
  Top w0.6: v1(223.1,31.45) R27#2.2 ; v1(238.6,3.77) C11#13.2 ; v1(238.34,27.01) 239.39,27.01 ; C19#19.2 v1(209.26,25.61)
  vias: v1(191.48,21.55) v1(199.86,24.09) v1(201.26,24.09) v1(202.65,18.88) v1(206.04,17.64) v1(206.04,16.37) v1(206.04,15.1) v1(206.04,13.83) v1(207.31,17.64) v1(207.31,16.37) v1(207.31,15.1) v1(207.31,13.83) v1(208.58,17.64) v1(208.58,16.37) v1(208.58,15.1) v1(208.58,13.83) v1(209.85,17.64) v1(209.85,16.37) v1(209.85,15.1) v1(209.85,13.83) v1(216.62,13.8) v1(217.77,13.8) v1(218.15,12.78) v1(218.78,11.77) v1(218.91,13.54) v1(220.43,4.78) v1(221.45,3.38) v1(221.96,24.09) v1(222.85,3.38) v1(223.23,24.09) v1(224.12,3.38) v1(224.37,24.21) v1(225.39,3.38) v1(226.66,23.83) v1(226.66,3.38) v1(227.29,23.07)
